# KiCad board mixed_signal_board.kicad_pcb (continued)
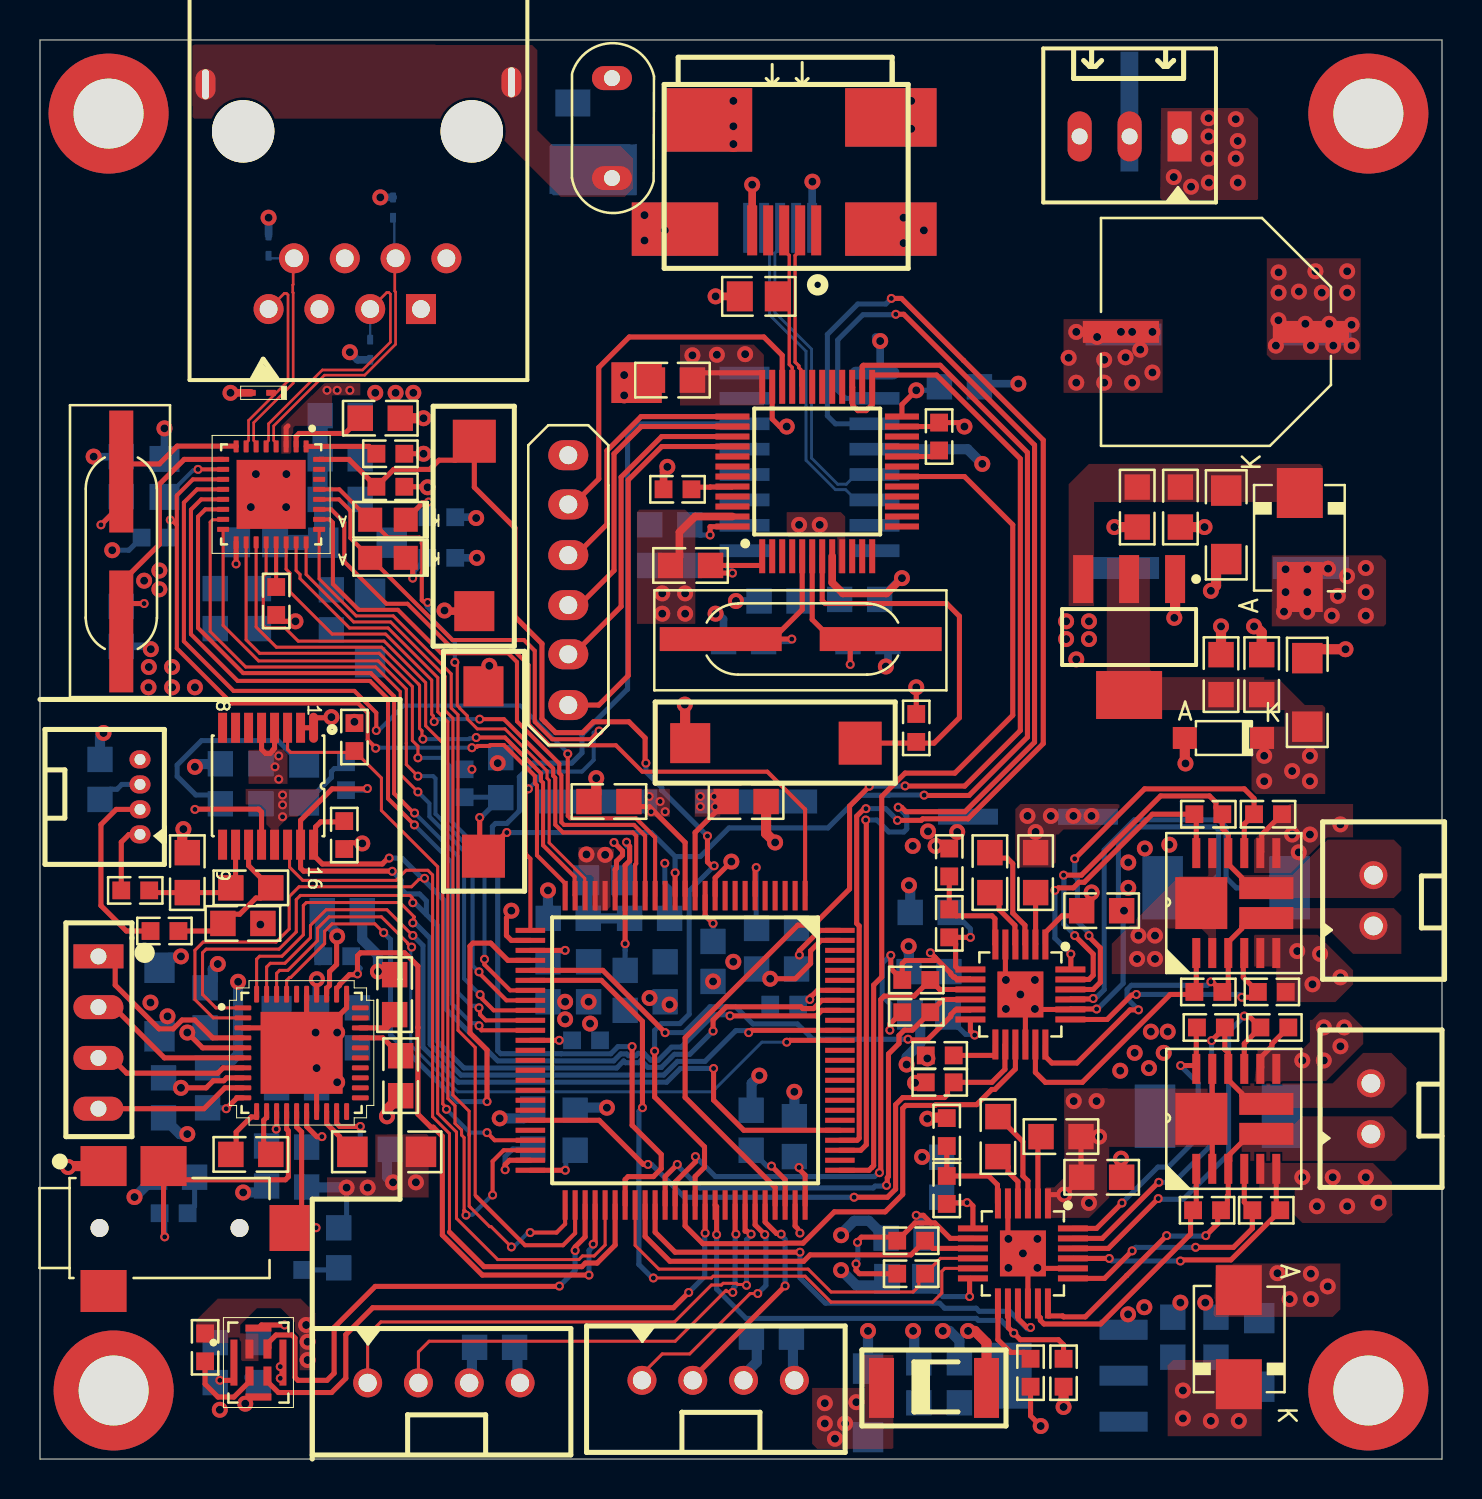
[diagram p0: board, top side]
## Routing (per net, layer and track width the routed paths; a pad name or vN(x,y) marks a point on that pad's centre or on a via; arc(x,y) is an arc through that point) (continued)
OUTA+: length 10.1
  Top Layer w0.254: J12.1 2.94,25.12 3.76,25.12 3.76,23.71 5.95,21.52 6.66,21.52 7.11,21.96 7.74,21.96 8.63,21.07 U6.4
OUTA-: length 8.3
  Top Layer w0.254: J12.2 3.68,22.61 6.22,20.07 U6.6
OUTB+: length 7.7
  Top Layer w0.254: U6.7 9.16,19.57 8.89,19.3 4.33,19.3 3.57,20.07 J12.3
OUTB-: length 7.7
  Top Layer w0.254: J12.4 8.2,17.53 9.24,18.57 U6.9
PH: length 25.3
  Top Layer w0.254: U8.63 32.26,11.66 33.15,10.77 37.22,10.77 37.25,10.8 38.15,10.8 39.72,12.37 42.26,12.37 43.14,13.24 43.14,17.54 43.29,17.69 44.76,17.69 44.8,17.73 46.83,17.73 47.59,18.49 47.74,18.49 48.77,19.52 U3.15
PH_2: length 24.3
  Top Layer w0.254: v1(38,10.35) 31.76,10.35 30.76,11.35 U8.60 ; v1(49.53,6.58) 49.35,6.58 48.92,7.01 48.92,7.76 U9.15
  Bottom Layer w0.254: 49.38,6.5 48.49,7.39 46.96,7.39 46.81,7.54 45.23,7.54 44.98,7.8 39.27,7.8 38,9.07 v1(38,10.35)
PHY_RESET: length 58.4
  Top Layer w0.254: 30.26,34.8 30.26,36.07 29.45,36.88 27.67,36.88 27.13,36.34 25.78,36.34 25.1,37.02 25.1,40.79 23.75,42.14 23.75,46.58 21.72,48.62 SW2.2 20.77,49.97 19.95,49.97 19.49,49.51 17.69,49.51 R5.1 15.45,50.01 U2.32 ; 33.66,29.59 33.38,29.87 v1(33.38,31.17) ; v1(30.73,20.4) 30.73,18.11 33.23,15.62 33.23,14.6 32.76,14.13 U8.64
  Bottom Layer w0.254: v1(30.73,20.4) 30.73,21.45 31.07,21.78 31.99,21.78 32.46,22.25 32.46,28.43 v1(33.71,29.68) ; v1(30.3,34.82) 30.3,34.38 31.09,33.59 31.09,33.45 v1(33.38,31.17)
RD_N: length 15.3
  Top Layer w0.132: U2.4 11.81,50.84 11.69,50.96 11.69,51.69 14.22,54.22 16.24,54.22 17.78,55.77 17.78,58.39 17.74,58.43 17.74,60.03 J3.6
  Bottom Layer w0.114: J3.6 17.72,60.13 17.72,62.04 D4.K
RD_P: length 14.3
  Top Layer w0.132: J3.5 17.34,58.36 17.44,58.36 17.52,58.28 17.52,55.88 16.13,54.48 14.12,54.48 11.43,51.79 11.43,50.96 11.31,50.84 U2.5
  Bottom Layer w0.114: D3.K J3.5
RESET: length 40.6
  Top Layer w0.152: U8.55 28.26,10.71 27.71,10.16 27.13,10.16 26.95,9.98 22.89,9.98 20.83,12.04 20.83,16.36 19.88,17.3 19.88,29.63 17.07,32.45 17.07,34.07 R27.1 15.65,35.35 12.53,35.35 12.38,35.5 U5.3
RESET_DAC: length 32.3
  Top Layer w0.254: U8.54 27.76,10.85 v1(27.66,10.75) ; v1(27.45,9.2) 22.12,9.2 20.12,11.2 20.12,16.15 19.66,16.6 19.55,16.6 18.9,17.25 18.9,21.58 18.89,21.58 18.89,24.67 18.4,25.16 18.39,25.16 18.23,25.32 16.02,25.32 15.88,25.18 v1(15.88,24.27) 15.84,24.23 15.47,24.23 14.98,23.73 14.98,23.69 14.83,23.55
  Bottom Layer w0.254: 15.72,24.99 15.87,24.84 15.87,24.68 16,24.55 15.88,24.42 v1(15.88,24.27) ; v1(27.66,10.75) 27.66,10.64 27.45,10.43 v1(27.45,9.2)
RX_CLK: length 29.9
  Top Layer w0.152: U2.19 10.81,41.63 11.82,40.61 17.08,40.61 18.92,38.77 18.92,38.77 18.98,38.71 18.98,36.55 19.1,36.43 19.1,36.06 v1(19.15,36.02)
  Top Layer w0.203: U8.24 26.73,28.21 26.73,29.13 25.15,30.7 25.15,33.83 25.05,33.94 25.05,34.3 23.25,36.1 v1(21.81,36.1)
  Bottom Layer w0.203: v1(21.81,36.1) 21.77,36.05 21.48,36.05 21.45,36.02 v1(19.15,36.02)
RX_D0: length 34.7
  Top Layer w0.152: 18.97,34.09 18.32,34.74 18.32,35.81 18.32,35.81 18.32,38.52 16.91,39.93 10.93,39.93 9.16,41.7 U2.16
  Top Layer w0.203: v1(21.95,24.37) 21.95,24.32 23.32,22.95 U8.33
  Bottom Layer w0.203: v1(18.9,34.16) 19.66,34.16 19.78,34.04 19.78,32.27 21.63,30.42 21.63,24.67 21.93,24.37 v1(21.95,24.37)
RX_D1: length 36.6
  Top Layer w0.152: v1(18.9,33.37) 18.01,34.26 18.01,38.4 16.78,39.62 10.29,39.62 8.51,41.4 8.51,46.87 8.63,46.99 9.14,46.99 U2.15
  Top Layer w0.203: v1(22.01,23.23) 22.12,23.12 22.12,23.01 22.68,22.45 U8.34
  Bottom Layer w0.203: v1(18.9,33.37) 19.47,32.8 19.47,32.15 21.21,30.41 21.21,24.03 v1(22.01,23.23)
RX_D2: length 38.7
  Top Layer w0.203: v1(18.73,32.32) 18.68,32.32 17.71,33.3 17.71,38.15 16.54,39.32 10.16,39.32 7.9,41.58 7.9,47.14 8.27,47.51 U2.14 ; v1(21.95,22.57) 22,22.53 22,22.28 22,22.27 22,22.23 22.29,21.95 U8.35
  Bottom Layer w0.203: v1(21.95,22.57) 21.92,22.57 21.81,22.67 21.56,22.67 20.9,23.33 20.9,30.15 v1(18.73,32.32)
RX_D3: length 40.4
  Top Layer w0.203: v1(18.72,31.72) 17.4,33.04 17.4,38.03 16.5,38.93 9.88,38.93 7.55,41.26 7.55,47.5 8.06,48.01 U2.13 ; v1(21.95,21.68) 21.95,21.61 22.07,21.49 22.07,21.45 U8.36
  Bottom Layer w0.203: v1(21.95,21.68) 21.95,21.68 21.82,21.81 21.58,21.81 20.6,22.78 20.6,23.2 20.6,23.21 20.6,29.85 v1(18.72,31.72)
RX_DV: length 33.1
  Top Layer w0.152: v1(18.9,35.08) 18.9,35.66 18.62,35.94 18.62,38.65 16.96,40.31 10.98,40.31 10.31,40.98 U2.18
  Top Layer w0.203: v1(22.22,25) 22.22,24.73 23.51,23.45 U8.32
  Bottom Layer w0.203: v1(18.9,35.08) 20.09,35.08 20.55,34.62 20.55,31.93 22.22,30.25 v1(22.22,25)
RX_ER: length 40.1
  Top Layer w0.152: U2.20 11.31,44.3 11.16,44.15 11.16,41.7 11.28,41.58 12.25,41.58 12.91,40.92 17.2,40.92 19.28,38.84 19.28,36.68 20.14,35.82 20.14,17.76 20.32,17.58 v1(20.32,17.5)
  Top Layer w0.203: U8.47 22.74,15.95 v1(22.35,16.33)
  Bottom Layer w0.203: v1(22.35,16.33) 21.49,16.33 v1(20.32,17.5)
SCL: length 57.7
  Top Layer w0.152: U6.2 8.66,22.07 7.75,22.99 7.75,25.45 8.16,25.86 11.8,25.86 12.46,26.52 12.46,28.13 12.95,28.63 18.58,28.63 18.94,28.99 19.17,28.99 v1(19.23,29.05)
  Top Layer w0.254: v1(34.5,22.17) 38.82,22.17 39.09,22.45 U8.92 ; 17.42,30.05 17.39,30.05 17.11,29.77 14.12,29.77 13.68,30.21 U5.16 13.78,30.83 13.78,31.62 14.03,31.88 15.3,31.88
  Bottom Layer w0.254: 19.18,28.98 20.27,27.89 20.27,22.54 22.89,19.92 28.69,19.92 29.04,20.27 29.33,20.27 29.42,20.18 29.8,20.18 29.91,20.29 30.2,20.29 30.55,19.95 30.92,19.95 31.58,20.6 32.06,20.6 33.68,22.23 34.45,22.23 v1(34.5,22.17) ; 19.18,28.98 19.23,29.02 v1(19.23,29.05) ; 19.18,28.98 18.1,30.06 v1(17.46,30.06)
SCLK: length 38.4
  Top Layer w0.152: v1(18.58,25.61) 18.55,25.61 18.39,25.78 18.39,25.81 17.07,27.13 14.45,27.13 13.88,26.55 13.88,25.93 12.39,24.45 11.98,24.45 11.83,24.3 U6.38
  Top Layer w0.254: v1(37.34,20.85) 37.39,20.85 37.48,20.95 U8.89
  Bottom Layer w0.152: v1(37.34,20.85) 36.1,20.85 33.62,18.37 20.88,18.37 18.54,20.71 18.54,25.57 v1(18.58,25.61)
SDA: length 63
  Top Layer w0.152: U6.1 8.8,22.57 8.13,23.24 8.13,25.33 8.31,25.51 11.95,25.51 12.81,26.37 12.81,27.99 13.02,28.2 18.5,28.2 18.61,28.09 18.61,27.87 v1(18.64,27.83)
  Top Layer w0.254: U8.93 39.09,22.95 38.68,22.54 38.14,22.54 38.05,22.62 34.32,22.62 33.66,21.96 v1(33.66,21.41) ; v1(17.61,29.4) 17.6,29.41 13.18,29.41 13.03,29.56 U5.15 13.03,31.95 14.6,33.53 16.33,33.53
  Bottom Layer w0.254: v1(18.64,27.83) 18.73,27.83 19.32,27.24 ; v1(17.61,29.4) 18.05,28.96 18.05,28.52 18.31,28.27 18.97,28.27 19.32,27.92 19.32,27.24 ; 19.32,27.24 19.86,26.7 19.86,20.9 21.2,19.56 28.84,19.56 29.19,19.91 29.27,19.83 29.94,19.83 30.06,19.94 30.4,19.59 31.07,19.59 31.72,20.25 32.49,20.25 v1(33.66,21.41) ; v1(16.37,33.54) 16.32,33.54 16.24,33.46 R26.1
SDIN: length 40.6
  Top Layer w0.152: U6.39 11.33,24.62 11.51,24.8 12.24,24.8 13.52,26.08 13.52,26.7 14.31,27.48 17.35,27.48 18.64,26.19 v1(18.64,26.19)
  Top Layer w0.254: U8.80 35.19,16.45 33.68,17.96 v1(33.68,19.54)
  Bottom Layer w0.254: v1(18.64,26.19) 19.15,25.68 19.15,20.6 20.9,18.85 31.33,18.85 32.02,19.54 v1(33.68,19.54)
SH1: length 17.8
  Top Layer w0.254: Q1.13 60.52,27.06 60.09,26.64 60.09,26.54 59.42,25.86 Q1.3 59.42,23.67 59.27,23.52 58.97,23.52 58.65,23.84 58.58,23.84 v1(58.55,23.88) ; v1(54.93,22.47) 54.51,22.47 51.85,19.81 50.6,19.81 50.27,20.14 U3.18
  Bottom Layer w0.254: v1(58.55,23.88) 58.37,23.7 54.57,23.7 54.36,23.48 54.36,23.04 v1(54.93,22.47)
SH1_2: length 17
  Top Layer w0.254: U9.18 50.4,7.18 50.42,7.16 51.13,7.16 51.18,7.11 52.27,7.11 54.34,9.18 v1(56.33,11.18) ; v1(58.29,11.18) 58.89,11.77 58.89,12.28 59.37,12.76 59.37,13.16 59.42,13.21 Q2.3 59.42,14.84 59.49,14.92 59.49,15.24 60.52,16.27 Q2.13
  Bottom Layer w0.254: v1(56.33,11.18) 56.39,11.18 56.41,11.15 58.27,11.15 v1(58.29,11.18)
SH2: length 22
  Top Layer w0.254: Q1.14 60.52,28.56 60.09,28.99 60.09,29.09 59.42,29.76 Q1.10 59.42,31.24 59.12,31.54 R16.1 58.8,32.58 58.8,32.85 58.48,33.17 56.03,33.17 52.07,29.21 v1(51.18,29.21) ; U3.23 52.45,23.99 52.66,24.2 52.66,25.26 v1(51.74,26.19)
  Bottom Layer w0.254: v1(51.18,29.21) 51.2,29.19 51.2,26.76 51.74,26.22 v1(51.74,26.19)
SH2_2: length 20.2
  Top Layer w0.254: v1(55.94,13.84) 55.92,13.84 53.12,11.04 U9.23 ; Q2.14 60.52,17.77 60.09,18.19 60.09,18.29 59.42,18.97 Q2.10 59.42,20.32 59.25,20.49 R40.1 58.59,20.93 v1(58.58,20.93)
  Bottom Layer w0.254: v1(55.94,13.84) 56.7,13.84 58.58,15.73 58.58,20.79 58.55,20.83 58.58,20.87 v1(58.58,20.93)
SNSOUT: length 25.4
  Top Layer w0.254: v1(31.87,14.74) 31.26,14.13 U8.61 ; U3.10 45.15,22.99 R23.1 43.62,21.46 43.22,21.46 42.95,21.19 42.95,20.79 42.43,20.27 42.43,14.14 42.37,14.08 42.37,13.73 v1(42.33,13.69)
  Bottom Layer w0.254: v1(42.33,13.69) 42.29,13.65 41.75,13.65 41.66,13.56 32.99,13.56 31.83,14.72
SNSOUT_2: length 20.8
  Top Layer w0.152: U8.58 29.76,10.69 30.95,9.5 38.41,9.5 39.55,8.36 43.66,8.36 43.94,8.64 43.94,8.95 R46.1 45.03,10.04 U9.10
SO: length 25.2
  Top Layer w0.254: U8.30 28.14,24.45 31.26,21.33 v1(31.26,21.33) ; v1(43.4,21) 43.44,20.97 44.37,20.97 45.54,22.15 45.54,22.24 45.78,22.47 46.5,22.47 U3.11
  Bottom Layer w0.254: v1(31.26,21.33) 31.26,21.33 32.21,21.33 33.5,22.62 34.79,22.62 35.64,21.77 37.87,21.77 38.64,21 v1(43.4,21)
SO_2: length 37.6
  Top Layer w0.152: v1(30.67,9.06) 33.57,9.06 33.66,9.15 38.26,9.15 39.56,7.85 44.64,7.85 45.09,8.3 45.09,9.39 45.24,9.54 U9.11
  Top Layer w0.254: v1(30.12,17.58) 30.12,21.89 28.07,23.95 U8.31
  Bottom Layer w0.254: 30.63,9.04 29.95,9.73 29.95,17.4 v1(30.12,17.58)
SP: length 24.1
  Top Layer w0.254: v1(52.66,23.04) 52.64,23.01 51.54,23.01 U3.21 ; R18.2 61.09,31.24 61.09,30.39 Q1.8
  Bottom Layer w0.254: v1(52.66,23.04) 52.71,23.04 52.81,23.14 52.87,23.14 53.21,23.48 53.21,30.47 54.72,31.98 58.93,31.98 59.31,31.6 59.31,29.08 59.82,28.58 R19.2
  vias: v2(62.61,31.24) v2(62.87,25.41) v2(62.94,30.35) v2(63.5,31.24) v2(63.63,23.75) v2(64.01,25.27) v2(65.02,31.75) v2(65.03,24.1)
SP_2: length 16.3
  Top Layer w0.254: Q2.6 61.82,12.64 R41.2 62.02,12.43 59.55,9.96 57.08,9.96 v1(57.02,9.91) ; U9.21 51.65,10.03 53.47,10.03 v1(53.47,10.03) ; Q2.8 61.09,19.59 61.09,20.14 61.6,20.65 61.6,20.77 R42.2
  Bottom Layer w0.254: v1(57.02,9.91) 53.59,9.91 v1(53.47,10.03)
  vias: v2(63.12,19.94) v2(63.12,14.1) v2(63.85,12.64) v2(64.19,21.59) v2(64.19,19.94) v2(64.64,14.1) v2(65.03,20.65) v2(65.21,21.59) v2(65.36,12.64) v2(66.29,14.1) v2(66.93,12.83)
TD_N: length 12
  Top Layer w0.132: J3.2 12.66,60.03 12.66,58.76 12.64,58.74 12.64,58.37 12.66,58.35 12.66,53.82 10.69,51.85 10.69,50.96 10.81,50.84 U2.6
  Bottom Layer w0.114: D2.K 11.43,60.16 11.52,60.07 12.45,60.07 12.7,59.82 J3.2
TD_P: length 9.8
  Top Layer w0.132: U2.7 10.31,50.84 10.43,50.96 10.43,51.96 12.4,53.93 12.4,58.24 12.32,58.32 12.22,58.32 J3.1
TX_CLK: length 30.8
  Top Layer w0.152: v1(19.71,36.89) 19.66,36.94 19.66,37.18 19.59,37.26 19.59,38.97 17.28,41.27 14.61,41.27 12.5,43.38 12.5,44.32 12.31,44.52 U2.22
  Top Layer w0.203: v1(21.99,37.01) 23.2,37.01 25.66,34.55 25.66,34.19 25.76,34.08 25.76,31.73 26.15,31.34 29.64,31.34 29.81,31.17 29.81,29.79 29.76,29.73 U8.18
  Bottom Layer w0.203: v1(21.99,37.01) 19.9,37.01 19.78,36.89 v1(19.71,36.89)
TX_D0: length 44.7
  Top Layer w0.152: U2.24 13.31,44.25 15.68,41.88 17.53,41.88 20.26,39.15 20.26,37.45 20.65,37.06 20.65,18.21 21.46,17.4 21.46,16.26 21.46,16.26 21.46,16.19 21.46,16.19 21.46,12.65 22.48,11.63 22.55,11.63 v1(23.57,10.61)
  Top Layer w0.203: v1(24.51,11.33) 25.83,11.33 26.26,11.76 U8.51
  Bottom Layer w0.203: v1(24.51,11.33) 24.41,11.33 23.72,10.63 23.6,10.63 v1(23.57,10.61)
TX_D1: length 45.3
  Top Layer w0.152: 21.81,13.14 21.76,13.19 21.76,20.59 20.9,21.45 20.9,37.23 20.56,37.57 20.56,39.28 17.66,42.18 15.81,42.18 13.96,44.03 U2.25
  Top Layer w0.203: 21.81,13.14 24.26,10.69 26.15,10.69 26.76,11.3 U8.52
TX_D2: length 31
  Top Layer w0.203: U2.26 14.49,47.01 14.65,46.85 14.65,43.77 15.94,42.48 17.9,42.48 20.07,40.31 23.41,40.31 23.85,39.87 23.85,36.91 25.96,34.8 25.96,34.31 26.07,34.21 26.07,31.86 26.2,31.72 29.7,31.72 30.26,31.17 U8.17
TX_D3: length 37.7
  Top Layer w0.203: U2.27 14.56,47.51 15.21,46.86 15.21,44.89 17.32,42.79 18.38,42.79 20.5,40.67 23.49,40.67 24.43,39.72 24.43,36.76 25.48,35.71 28.8,35.71 30.12,34.39 36.37,34.39 38.26,32.5 U8.1
TX_EN: length 43.9
  Top Layer w0.152: U2.23 12.81,44.45 13,44.26 13,44.05 15.48,41.57 17.41,41.57 19.89,39.09 19.89,37.38 20.39,36.88 20.39,18.03 20.75,17.68 20.75,16.79 21.08,16.46 21.08,16.21 21.21,16.08 21.21,12.43
  Top Layer w0.203: 21.21,12.43 21.25,12.38 21.25,12.25 v1(21.3,12.2) ; v1(22.63,13.21) 22.63,14.89 23.19,15.45 U8.48
  Bottom Layer w0.203: v1(22.63,13.21) 22.61,13.21 21.62,12.23 21.33,12.23 v1(21.3,12.2)
USBD_N: length 8.2
  Top Layer w0.166: U1.32 38.04,53.71 38.04,54.5 37.94,54.6 37.94,54.69 37.76,54.88 37.76,60.21 37.85,60.31 37.85,61.47 J1.2
USBD_P: length 8.7
  Top Layer w0.166: 37.46,58.8 37.46,60.21 37.37,60.31 37.37,61.47 J1.3 ; 37.46,58.8 36.89,58.8 ; 37.46,58.8 37.46,54.76 37.61,54.61 37.61,53.64 U1.33

## Copper pours and planes (outline as drawn; the poured copper is in the pictures)
+1V8 on Top Layer: 42.67,5.21 42.67,0.38 42.54,0.51 38.86,0.51 38.61,0.76 38.61,3.56 41.28,3.56 41.15,3.68 41.15,5.21
+1V8 on Bottom Layer: 55.63,5.1 54.75,5.97 47.24,5.97 47.12,5.84 47.12,3.56 38.74,3.56 38.74,0.51 47.37,0.51 50.29,3.43 55.63,3.43
+1V8 on Bottom Layer: 16.7,23.5 16.64,23.57 10.54,23.57 10.54,21.84 16.64,21.84
+3V3 on Top Layer: 32,55.75 35.69,55.75 36.19,55.25 36.19,52.71 36.19,52.7 32,52.7
+3V3 on Top Layer: 53.34,45.09 55.5,45.09 55.5,39.5 55.88,39.12 61.21,39.12 61.21,38.99 61.98,38.99 63.25,37.72 64.13,37.72 64.26,37.59 64.26,33.27 60.58,33.27 60.58,36.64 62.23,36.64 62.23,37.47 53.34,37.47
+3V3 on Top Layer: 40.26,44.32 40.26,47.15 40.04,47.37 37.34,47.37 37.34,46.23 37.47,46.1 39.75,46.1 39.88,45.97 39.88,44.32
+3V3 on Top Layer: 7.82,6.96 8.89,8.03 13.03,8.03 13.79,7.26 13.77,7.24 13.77,4.44 12.75,4.44 12.75,6.83 12.04,7.54 10.85,7.54 10.01,6.71 10.01,6.29 10.92,6.29 10.92,4.89 10.91,4.9 10.11,4.9 10.06,4.95 10.06,5.87 9.98,5.79 7.82,5.79
+3V3 on Top Layer: 11.56,29.97 11.56,31.51 10.94,32.13 10.29,32.13 10.29,33.53 13.97,33.53 13.97,32.26 13.84,32.13 12.45,32.13 11.94,31.62 11.94,29.97
+3V3 on Bottom Layer: 14.86,27.69 15.62,26.92 15.62,25.53 15.37,25.27 14.57,25.27 14.57,24.39 14.31,24.13 13.21,24.13 13.21,27.69
+3V3 on Bottom Layer: 7.98,5.05 8.03,5.05 8.59,4.5 13.92,4.5 13.92,7.34 13.87,7.29 7.98,7.29
+3V3 on Bottom Layer: 4.84,22.61 8.89,22.61 8.89,20.83 8.64,20.57 6.98,20.57 6.86,20.45 6.86,18.29 4.81,18.29
+3V3 on Bottom Layer: 17.28,44.2 10.54,44.2 10.54,46.74 7.24,46.74 4.83,44.32 4.83,42.54 17.27,42.55
+3V3 on Bottom Layer: 32,55.75 35.69,55.75 36.19,55.25 36.19,52.71 36.19,52.7 32,52.7
+3V3 on Bottom Layer: 11.56,29.97 11.56,31.51 10.94,32.13 10.29,32.13 10.29,33.53 13.97,33.53 13.97,32.26 13.84,32.13 12.45,32.13 11.94,31.62 11.94,29.97
+3V3 on Bottom Layer: 37.34,47.5 40.64,47.5 40.64,42.16 40.51,42.29 37.34,42.29
+12V on Top Layer: 51.22,18.53 51.22,14.1 50.71,13.59 50.29,13.59 50.29,11.94 50.42,12.06 52.45,12.06 53.47,13.08 53.46,18.55
+12V on Top Layer: 61.59,45.21 67.06,45.21 67.31,44.96 67.31,41.78 67.18,41.66 61.59,41.66
+12V on Top Layer: 56.06,67.59 60.4,67.59 60.91,67.08 60.91,63.04 60.86,62.99 56.01,62.99
+12V on Top Layer: 58.8,9.65 58.93,9.78 65.02,9.78 65.02,7.49 64.64,7.11 58.67,7.11
+12V on Top Layer: 59.25,18.29 59.01,18.53 51.22,18.53 51.22,15.49 51.44,15.49 51.56,15.62 59.25,15.62
+12V on Top Layer: 58.42,30.99 58.42,29.21 58.36,29.15 56.96,29.15 53.59,25.78 53.59,24.26 56.26,24.26 56.26,26.54 58.07,26.54 58.42,26.19 58.42,24.64 58.8,24.64 58.8,30.99
+12V on Top Layer: 53.97,32.85 53.89,32.77 49.02,32.77 48.77,32.52 48.77,29.79 48.97,29.59 50.55,29.59 50.8,29.84 50.8,31.24 50.93,31.24 51.18,31.5 53.97,31.5
+12V on Top Layer: 61.34,60.07 61.34,55.25 61.59,54.99 66.04,54.99 66.04,60.07
+12V on Bottom Layer: 61.34,60.07 61.34,55.25 61.59,54.99 66.04,54.99 66.04,60.07
+12V on Bottom Layer: 61.59,45.21 67.06,45.21 67.31,44.96 67.31,41.78 67.18,41.66 61.59,41.66
+12V on Bottom Layer: 53.97,32.85 53.89,32.77 49.02,32.77 48.77,32.52 48.77,29.79 48.97,29.59 50.55,29.59 50.8,29.84 50.8,31.24 50.93,31.24 51.18,31.5 53.97,31.5
GND on Top Layer: 29.84,47.37 29.97,47.5 32.26,47.5 32.77,46.99 32.77,41.78 29.84,41.78
GND on Top Layer: 10.43,35.48 12.38,35.5 12.38,33.78 10.43,33.78
GND on Top Layer: 56.13,57.02 51.18,57.02 51.18,53.34 56.13,53.34
GND on Top Layer: 19.43,16.26 19.56,16.26 16.76,16.23 16.76,14.1 14.33,14.1 14.35,14.08 14.35,13.08 19.43,13.08
GND on Bottom Layer: 12.19,35.33 12.32,35.2 12.32,33.78 12.29,33.75 8.58,33.75 8.36,33.97 8.36,35.56 11.9,35.56
GND on Bottom Layer: 18.03,42.54 4.57,42.54 4.57,37.97 18.03,37.97
GND on Bottom Layer: 56.77,15.73 56.77,19.18 57.28,19.69 57.28,21.84 57.15,21.84 56.83,22.16 55.55,22.16 53.09,19.7 53.09,15.75
GND on Bottom Layer: 37.08,27.31 36.51,26.73 36.51,25.89 35.89,25.27 33.02,25.27 32.93,25.18 32.93,22.88 35.81,22.88 35.81,22.76 35.83,22.74 35.83,22.17 37.34,22.17 38.61,23.44 38.61,27.34
GND on Bottom Layer: 47.88,32.52 44.45,32.52 43.05,31.12 43.05,30.23 43.18,30.1 46.4,30.1 46.52,30.22 46.52,31.37 47.88,31.37
GND on Bottom Layer: 19.43,16.26 19.56,16.26 16.76,16.23 16.76,14.1 14.33,14.1 14.35,14.08 14.35,13.08 19.43,13.08
GND on Bottom Layer: 57.15,27.05 57.28,27.18 57.28,31.24 54.93,31.24 53.91,30.22 53.91,26.89 53.94,26.92 57.15,26.92
GND on Bottom Layer: 56.13,57.02 51.18,57.02 51.18,53.34 56.13,53.34
GND on Bottom Layer: 61.87,6.07 62.1,6.3 62.1,8 61.67,8.43 52.93,8.43 52.93,8.41 52.35,7.82 52.35,6.1 52.91,5.53 54.67,5.53 55.11,5.97 56.64,5.97
GND on Bottom Layer: 29.84,47.37 29.97,47.5 32.26,47.5 32.77,46.99 32.77,41.78 29.84,41.78
GND on Bottom Layer: 11.66,4.5 8.03,4.5 8,4.47 8,2.36 8.25,2.11 11.53,2.11 11.66,2.23
GND on Bottom Layer: 55.88,45.09 50.8,45.09 50.8,39.5 50.99,39.31 52.71,39.31 52.96,39.56 52.96,43.31 53.09,43.43 55.88,43.43
GND on Bottom Layer: 24.51,23.65 24.66,23.5 31.7,23.5 32.13,23.06 32.13,22.45 31.13,21.45 29.15,21.45 28.78,21.08 28.78,20.4 25.4,20.4 24.51,21.29
GND on Bottom Layer: 13.1,18.01 13.2,17.91 16.76,17.91 16.76,21.72 16.64,21.84 13.08,21.84
GND on Bottom Layer: 15.32,53.85 19.43,53.85 19.43,45.09 15.24,45.09
EARTH on Bottom Layer (solid shape): 54.91,70.41 54.03,70.41 54.03,64.41 54.91,64.41
EARTH on Bottom Layer: 0,62.26 3.68,62.23 8.69,62.23 15.19,68.73 25.7,68.73 25.7,67.26 25.81,67.16 29.84,67.16 30.15,67.46 30.15,68.73 31.98,68.73 32,68.71 61.44,68.71 61.98,68.17 61.98,64.92 63.83,63.07 70.08,63.07 70.13,63.12 70.13,70.97 70.1,70.99 0,70.99
NetC11_2 on Top Layer: 12.06,50.29 12.06,51.69 13.59,53.21 13.61,53.21 14.22,53.82 16.01,53.82 16.01,53.21 14.6,53.21 14.6,51.69 12.75,51.69 12.66,51.59 12.66,50.29
NetC11_2 on Bottom Layer: 16,53.85 14.35,53.85 13.33,52.83 13.33,51.44 14.6,51.44 14.6,53.09 16.01,53.09
NetC21_2 on Bottom Layer (solid shape): 29.54,65.76 29.51,65.79 25.58,65.79 25.48,65.68 25.48,63.3 25.58,63.3 25.65,63.22 29.82,63.22 29.84,63.25 29.84,65.79
NetC21_2 on Top Layer: 7.65,67.67 7.62,67.69 7.62,70.89 7.75,70.76 19.76,70.76 19.79,70.74 24.61,70.74 24.87,70.48 24.87,66.47 25.65,65.68 29.03,65.68 29.64,65.07 29.64,63.55 29.24,63.14 26.03,63.14 22.12,67.06 7.62,67.06
NetC36_2 on Bottom Layer: 12.83,21.34 12.83,16.36 14.33,16.36 14.33,14.73 14.26,14.66 10.56,14.66 10.54,14.68 10.54,21.34
NetC56_1 on Top Layer: 32.74,33.53 34.01,33.53 34.01,32.13 32.74,32.13
NetC58_1 on Top Layer: 30.23,33.53 31.5,33.53 31.5,32.13 30.23,32.13
NetC58_1 on Bottom Layer: 24.76,33.53 31.5,33.53 31.5,32.13 24.76,32.13
NetC67_2 on Top Layer: 28.32,27.43 28.7,27.81 28.7,30.61 26.92,30.61 26.92,29.34 27.05,29.21 27.56,29.21 27.69,29.08 27.69,27.43
NetC67_2 on Bottom Layer: 28.07,24.38 28.07,26.29 30.23,26.29 30.48,26.03 30.48,24.51 30.73,24.26 32.13,24.26 32.13,26.16 30.35,27.94 29.72,27.94 29.46,28.19 28.45,28.19 28.45,28.32 28.57,28.45 28.57,30.61 28.45,30.61 28.32,30.73 26.61,30.73 26.61,24.38
NetC84_2 on Top Layer: 64.13,49.66 64.01,49.78 52.45,49.78 51.44,48.77 51.44,42.67 52.71,42.67 52.71,47.88 64.13,47.88
NetC90_2 on Top Layer: 61.09,4.83 60.96,4.95 56.64,4.95 56.39,4.7 56.39,1.14 61.09,1.14
NetC90_2 on Bottom Layer: 52.83,2.67 52.96,2.54 55.63,2.54 55.88,2.79 55.88,5.72 56.01,5.84 60.71,5.84 60.71,5.72 62.1,4.32 62.1,2.92 60.32,1.14 52.71,1.14
SH1 on Top Layer: 60.09,27.56 67.69,27.56 68.07,27.18 68.07,25.27 65.66,25.27 64.39,26.54 60.09,26.54
SH1_2 on Top Layer: 60.07,16.76 62.74,16.76 63.12,17.15 67.61,17.15 68.33,16.42 68.33,15.49 67.75,14.92 60.09,14.92
SH2 on Top Layer: 60.09,29.09 60.22,29.21 62.61,29.21 64.39,30.99 67.69,30.99 68.07,30.61 68.07,28.45 67.69,28.07 60.07,28.07
SH2_2 on Top Layer: 60.09,18.8 64.64,18.8 66.16,20.32 67.56,20.32 68.33,19.56 68.33,18.29 67.61,17.57 60.09,17.57
SP on Top Layer: 60.71,26.19 60.74,26.23 63.88,26.23 65.66,24.45 65.66,23.75 64.77,22.86 61.82,22.86 61.82,24.64 60.71,24.64
SP on Top Layer: 60.71,30.99 62.48,32.77 65.66,32.77 65.66,29.21 61.02,29.21 60.99,29.18 60.71,29.18
SP on Bottom Layer: 62.1,31.75 62.1,22.73 65.28,22.73 65.53,22.99 65.53,31.75
SP_2 on Top Layer: 60.9,20.49 63.12,20.49 63.5,20.87 63.5,21.97 63.63,21.97 64.01,22.35 65.41,22.35 66.16,21.59 66.16,20.77 64.19,18.8 60.72,18.8
SP_2 on Top Layer: 61.02,15.24 61.05,15.2 63.12,15.2 63.41,14.92 66.55,14.92 67.61,13.86 67.61,12.32 67.75,12.32 67.24,11.81 63.12,11.81 62.74,12.19 62.74,13.46 60.96,13.46
SP_2 on Bottom Layer: 62.74,22.35 62.48,22.1 62.48,18.8 62.36,18.67 61.09,18.67 61.09,15.49 62.74,13.84 62.74,12.32 63.25,11.81 67.44,11.81 67.56,11.94 67.56,14.86 65.41,14.86 65.41,22.35
